# Allegro board 038NC-GRIFFI-V9A_16_20260429.brd (continued)
## Footprints (pads in the part's own frame, mm; a bottom-side part is the same pattern mirrored in y, then rotated) (continued)
PG_LTXDX_F_X1_GX1X_SL04
  round 0.051 hole 2.489x2.21 unplated: (-60.335,-220.342)
  round 0.508 hole 3.2 unplated: (-59.335,-154.842)
  rect 1.016x1.016 smd: A1(-54.706,-218.796)
  round 1.016 hole 0.559: A2(-53.58,-217.796) A3(-54.706,-216.796) A4(-53.58,-215.796) A5(-54.706,-214.796) A6(-53.58,-213.796) A7(-54.706,-212.796) A8(-53.58,-211.796) A9(-54.706,-210.796) A10(-53.58,-209.796) A11(-54.706,-208.796) A12(-53.58,-207.796) A13(-54.706,-206.796) A14(-53.58,-205.796) A15(-54.706,-204.796) A16(-53.58,-203.796) A17(-54.706,-202.796) A18(-53.58,-201.796) A19(-54.706,-200.796) A20(-53.58,-199.796) A21(-54.706,-198.796) A22(-53.58,-197.796) A23(-54.706,-196.796) A24(-53.58,-195.796) A25(-54.706,-194.796) A26(-53.58,-193.796) A27(-54.706,-192.796) A28(-53.58,-191.796) A29(-54.706,-190.796) A30(-53.58,-189.796) A31(-54.706,-188.796) A32(-53.58,-187.796) A33(-54.706,-186.796) A34(-53.58,-185.796) A35(-54.706,-184.796) A36(-53.58,-183.796) A37(-54.706,-182.796) A38(-53.58,-181.796) A39(-54.706,-180.796) A40(-53.58,-179.796) A41(-54.706,-178.796) A42(-53.58,-177.796) A43(-54.706,-176.796) A44(-53.58,-175.796) A45(-54.706,-174.796) A46(-53.58,-173.796) A47(-54.706,-172.796) A48(-53.58,-171.796) A49(-54.706,-170.796) A50(-53.58,-169.796) A51(-54.706,-168.796) A52(-53.58,-167.796) A53(-54.706,-166.796) A54(-53.58,-165.796) A55(-54.706,-164.796) A56(-53.58,-163.796) A57(-54.706,-162.796) A58(-53.58,-161.796) A59(-54.706,-160.796) A60(-53.58,-159.796) A61(-54.706,-158.796) B2(-55.829,-217.796) B3(-56.954,-216.796) B4(-55.829,-215.796) B5(-56.954,-214.796) B6(-55.829,-213.796) B7(-56.954,-212.796) B8(-55.829,-211.796) B9(-56.954,-210.796) B10(-55.829,-209.796) B11(-56.954,-208.796) B12(-55.829,-207.796) B13(-56.954,-206.796) B14(-55.829,-205.796) B15(-56.954,-204.796) B16(-55.829,-203.796) B17(-56.954,-202.796) B18(-55.829,-201.796) B19(-56.954,-200.796) B20(-55.829,-199.796) B21(-56.954,-198.796) B22(-55.829,-197.796) B23(-56.954,-196.796) B24(-55.829,-195.796) B25(-56.954,-194.796) B26(-55.829,-193.796) B27(-56.954,-192.796) B28(-55.829,-191.796) B29(-56.954,-190.796) B30(-55.829,-189.796) B31(-56.954,-188.796) B32(-55.829,-187.796) B33(-56.954,-186.796) B34(-55.829,-185.796) B35(-56.954,-184.796) B36(-55.829,-183.796) B37(-56.954,-182.796) B38(-55.829,-181.796) B39(-56.954,-180.796) B40(-55.829,-179.796) B41(-56.954,-178.796) B42(-55.829,-177.796) B43(-56.954,-176.796) B44(-55.829,-175.796) B45(-56.954,-174.796) B46(-55.829,-173.796) B47(-56.954,-172.796) B48(-55.829,-171.796) B49(-56.954,-170.796) B50(-55.829,-169.796) B51(-56.954,-168.796) B52(-55.829,-167.796) B53(-56.954,-166.796) B54(-55.829,-165.796) B55(-56.954,-164.796) B56(-55.829,-163.796) B57(-56.954,-162.796) B58(-55.829,-161.796) B59(-56.954,-160.796) B60(-55.829,-159.796) B61(-56.954,-158.796) C2(-58.079,-217.796) C3(-59.205,-216.796) C4(-58.079,-215.796) C5(-59.205,-214.796) C6(-58.079,-213.796) C7(-59.205,-212.796) C8(-58.079,-211.796) C9(-59.205,-210.796) C10(-58.079,-209.796) C11(-59.205,-208.796) C12(-58.079,-207.796) C13(-59.205,-206.796) C14(-58.079,-205.796) C15(-59.205,-204.796) C16(-58.079,-203.796) C17(-59.205,-202.796) C18(-58.079,-201.796) C19(-59.205,-200.796) C20(-58.079,-199.796) C21(-59.205,-198.796) C22(-58.079,-197.796) C23(-59.205,-196.796) C24(-58.079,-195.796) C25(-59.205,-194.796) C26(-58.079,-193.796) C27(-59.205,-192.796) C28(-58.079,-191.796) C29(-59.205,-190.796) C30(-58.079,-189.796) C31(-59.205,-188.796) C32(-58.079,-187.796) C33(-59.205,-186.796) C34(-58.079,-185.796) C35(-59.205,-184.796) C36(-58.079,-183.796) C37(-59.205,-182.796) C38(-58.079,-181.796) C39(-59.205,-180.796) C40(-58.079,-179.796) C41(-59.205,-178.796) C42(-58.079,-177.796) C43(-59.205,-176.796) C44(-58.079,-175.796) C45(-59.205,-174.796) C46(-58.079,-173.796) C47(-59.205,-172.796) C48(-58.079,-171.796) C49(-59.205,-170.796) C50(-58.079,-169.796) C51(-59.205,-168.796) C52(-58.079,-167.796) C53(-59.205,-166.796) C54(-58.079,-165.796) C55(-59.205,-164.796) C56(-58.079,-163.796) C57(-59.205,-162.796) C58(-58.079,-161.796) C59(-59.205,-160.796) C60(-58.079,-159.796) C61(-59.205,-158.796) D2(-60.33,-217.796) D3(-61.455,-216.796) D4(-60.33,-215.796) D5(-61.455,-214.796) D6(-60.33,-213.796) D7(-61.455,-212.796) D8(-60.33,-211.796) D9(-61.455,-210.796) D10(-60.33,-209.796) D11(-61.455,-208.796) D12(-60.33,-207.796) D13(-61.455,-206.796) D14(-60.33,-205.796) D15(-61.455,-204.796) D16(-60.33,-203.796) D17(-61.455,-202.796) D18(-60.33,-201.796) D19(-61.455,-200.796) D20(-60.33,-199.796) D21(-61.455,-198.796) D22(-60.33,-197.796) D23(-61.455,-196.796) D24(-60.33,-195.796) D25(-61.455,-194.796) D26(-60.33,-193.796) D27(-61.455,-192.796) D28(-60.33,-191.796) D29(-61.455,-190.796) D30(-60.33,-189.796) D31(-61.455,-188.796) D32(-60.33,-187.796) D33(-61.455,-186.796) D34(-60.33,-185.796) D35(-61.455,-184.796) D36(-60.33,-183.796) D37(-61.455,-182.796) D38(-60.33,-181.796) D39(-61.455,-180.796) D40(-60.33,-179.796) D41(-61.455,-178.796) D42(-60.33,-177.796) D43(-61.455,-176.796) D44(-60.33,-175.796) D45(-61.455,-174.796) D46(-60.33,-173.796) D47(-61.455,-172.796) D48(-60.33,-171.796) D49(-61.455,-170.796) D50(-60.33,-169.796) D51(-61.455,-168.796) D52(-60.33,-167.796) D53(-61.455,-166.796) D54(-60.33,-165.796) D55(-61.455,-164.796) D56(-60.33,-163.796) D57(-61.455,-162.796) D58(-60.33,-161.796) D59(-61.455,-160.796) D60(-60.33,-159.796) D61(-61.455,-158.796) E2(-62.58,-217.796) E3(-63.705,-216.796) E4(-62.58,-215.796) E5(-63.704,-214.796) E6(-62.58,-213.796) E7(-63.704,-212.796) E8(-62.58,-211.796) E9(-63.704,-210.796) E10(-62.58,-209.796) E11(-63.704,-208.796) E12(-62.58,-207.796) E13(-63.704,-206.796) E14(-62.58,-205.796) E15(-63.704,-204.796) E16(-62.58,-203.796) E17(-63.704,-202.796) E18(-62.58,-201.796) E19(-63.704,-200.796) E20(-62.58,-199.796) E21(-63.704,-198.796) E22(-62.58,-197.796) E23(-63.704,-196.796) E24(-62.58,-195.796) E25(-63.704,-194.796) E26(-62.58,-193.796) E27(-63.704,-192.796) E28(-62.58,-191.796) E29(-63.704,-190.796) E30(-62.58,-189.796) E31(-63.704,-188.796) E32(-62.58,-187.796) E33(-63.704,-186.796) E34(-62.58,-185.796) E35(-63.704,-184.796) E36(-62.58,-183.796) E37(-63.704,-182.796) E38(-62.58,-181.796) E39(-63.704,-180.796) E40(-62.58,-179.796) E41(-63.704,-178.796) E42(-62.58,-177.796) E43(-63.704,-176.796) E44(-62.58,-175.796) E45(-63.704,-174.796) E46(-62.58,-173.796) E47(-63.704,-172.796) E48(-62.58,-171.796) E49(-63.704,-170.796) E50(-62.58,-169.796) E51(-63.704,-168.796) E52(-62.58,-167.796) E53(-63.704,-166.796) E54(-62.58,-165.796) E55(-63.704,-164.796) E56(-62.58,-163.796) E57(-63.704,-162.796) E58(-62.58,-161.796) E59(-63.704,-160.796) E60(-62.58,-159.796) E61(-63.704,-158.796) F2(-64.829,-217.796) F3(-65.954,-216.796) F4(-64.829,-215.796) F5(-65.955,-214.796) F6(-64.829,-213.796) F7(-65.955,-212.796) F8(-64.829,-211.796) F9(-65.955,-210.796) F10(-64.829,-209.796) F11(-65.955,-208.796) F12(-64.829,-207.796) F13(-65.955,-206.796) F14(-64.829,-205.796) F15(-65.955,-204.796) F16(-64.829,-203.796) F17(-65.955,-202.796) F18(-64.829,-201.796) F19(-65.955,-200.796) F20(-64.829,-199.796) F21(-65.955,-198.796) F22(-64.829,-197.796) F23(-65.955,-196.796) F24(-64.829,-195.796) F25(-65.955,-194.796) F26(-64.829,-193.796) F27(-65.955,-192.796) F28(-64.829,-191.796) F29(-65.955,-190.796) F30(-64.829,-189.796) F31(-65.955,-188.796) F32(-64.829,-187.796) F33(-65.955,-186.796) F34(-64.829,-185.796) F35(-65.955,-184.796) F36(-64.829,-183.796) F37(-65.955,-182.796) F38(-64.829,-181.796) F39(-65.955,-180.796) F40(-64.829,-179.796) F41(-65.955,-178.796) F42(-64.829,-177.796) F43(-65.955,-176.796) F44(-64.829,-175.796) F45(-65.955,-174.796) F46(-64.829,-173.796) F47(-65.955,-172.796) F48(-64.829,-171.796) F49(-65.955,-170.796) F50(-64.829,-169.796) F51(-65.955,-168.796) F52(-64.829,-167.796) F53(-65.955,-166.796) F54(-64.829,-165.796) F55(-65.955,-164.796) F56(-64.829,-163.796) F57(-65.955,-162.796) F58(-64.829,-161.796) F59(-65.955,-160.796) F60(-64.829,-159.796) F61(-65.955,-158.796) G2(-67.08,-217.796) G4(-67.08,-215.796) G6(-67.08,-213.796) G8(-67.08,-211.796) G10(-67.08,-209.796) G12(-67.08,-207.796) G14(-67.08,-205.796) G16(-67.08,-203.796) G18(-67.08,-201.796) G20(-67.08,-199.796) G22(-67.08,-197.796) G24(-67.08,-195.796) G26(-67.08,-193.796) G28(-67.08,-191.796) G30(-67.08,-189.796) G32(-67.08,-187.796) G34(-67.08,-185.796) G36(-67.08,-183.796) G38(-67.08,-181.796) G40(-67.08,-179.796) Z5(-52.456,-214.796) Z7(-52.456,-212.796) Z9(-52.456,-210.796) Z11(-52.456,-208.796) Z13(-52.456,-206.796) Z15(-52.456,-204.796) Z17(-52.456,-202.796) Z19(-52.456,-200.796) Z21(-52.456,-198.796) Z23(-52.456,-196.796) Z25(-52.456,-194.796) Z27(-52.456,-192.796) Z29(-52.456,-190.796) Z31(-52.456,-188.796) Z33(-52.456,-186.796) Z35(-52.456,-184.796) Z37(-52.456,-182.796) Z39(-52.456,-180.796) Z41(-52.456,-178.796) Z43(-52.456,-176.796) Z45(-52.456,-174.796) Z47(-52.456,-172.796) Z49(-52.456,-170.796) Z51(-52.456,-168.796) Z53(-52.456,-166.796) Z55(-52.456,-164.796) Z57(-52.456,-162.796) Z59(-52.456,-160.796) Z61(-52.456,-158.796)
  round 1.016 smd: B1(-56.954,-218.796) B62(-55.829,-157.796) C1(-59.206,-218.796) C62(-58.079,-157.796) D1(-61.456,-218.796) E1(-63.705,-218.796) E62(-62.58,-157.796) F1(-65.954,-218.796) F62(-64.829,-157.796) G42(-67.08,-177.796) G44(-67.08,-175.796) G46(-67.08,-173.796) G48(-67.08,-171.796) G50(-67.08,-169.796) G52(-67.08,-167.796) G54(-67.08,-165.796) G56(-67.08,-163.796) G58(-67.08,-161.796) G60(-67.08,-159.796)
PG_LTXDX_F_X1_HDVI_SL10_V3
  round 0.051 hole 2.489x2.21 unplated: (12.055,-220.342)
  round 0.508 hole 3.2 unplated: (13.055,-154.842)
  rect 1.016x1.016 hole 0.559: A1(17.684,-218.796)
  round 1.016 hole 0.559: A2(18.809,-217.796) A3(17.684,-216.796) A4(18.809,-215.796) A5(17.684,-214.796) A6(18.809,-213.796) A7(17.684,-212.796) A8(18.809,-211.796) A9(17.684,-210.796) A10(18.809,-209.796) A11(17.684,-208.796) A12(18.809,-207.796) A13(17.684,-206.796) A14(18.809,-205.796) A15(17.684,-204.796) A16(18.809,-203.796) A17(17.684,-202.796) A18(18.809,-201.796) A19(17.684,-200.796) A20(18.809,-199.796) A21(17.684,-198.796) A22(18.809,-197.796) A23(17.684,-196.796) A24(18.809,-195.796) A25(17.684,-194.796) A26(18.809,-193.796) A27(17.684,-192.796) A28(18.809,-191.796) A29(17.684,-190.796) A30(18.809,-189.796) A31(17.684,-188.796) A32(18.809,-187.796) A33(17.684,-186.796) A34(18.809,-185.796) A35(17.684,-184.796) A36(18.809,-183.796) A37(17.684,-182.796) A38(18.809,-181.796) A39(17.684,-180.796) A40(18.809,-179.796) A41(17.684,-178.796) A42(18.809,-177.796) A43(17.684,-176.796) A44(18.809,-175.796) A45(17.684,-174.796) A46(18.809,-173.796) A47(17.684,-172.796) A48(18.809,-171.796) A49(17.684,-170.796) A50(18.809,-169.796) A51(17.684,-168.796) A52(18.809,-167.796) A53(17.684,-166.796) A54(18.809,-165.796) A55(17.684,-164.796) A56(18.809,-163.796) A57(17.684,-162.796) A58(18.809,-161.796) A59(17.684,-160.796) A60(18.809,-159.796) A61(17.684,-158.796) B1(15.435,-218.796) B2(16.56,-217.796) B3(15.435,-216.796) B4(16.56,-215.796) B5(15.435,-214.796) B6(16.56,-213.796) B7(15.435,-212.796) B8(16.56,-211.796) B9(15.435,-210.796) B10(16.56,-209.796) B11(15.435,-208.796) B12(16.56,-207.796) B13(15.435,-206.796) B14(16.56,-205.796) B15(15.435,-204.796) B16(16.56,-203.796) B17(15.435,-202.796) B18(16.56,-201.796) B19(15.435,-200.796) B20(16.56,-199.796) B21(15.435,-198.796) B22(16.56,-197.796) B23(15.435,-196.796) B24(16.56,-195.796) B25(15.435,-194.796) B26(16.56,-193.796) B27(15.435,-192.796) B28(16.56,-191.796) B29(15.435,-190.796) B30(16.56,-189.796) B31(15.435,-188.796) B32(16.56,-187.796) B33(15.435,-186.796) B34(16.56,-185.796) B35(15.435,-184.796) B36(16.56,-183.796) B37(15.435,-182.796) B38(16.56,-181.796) B39(15.435,-180.796) B40(16.56,-179.796) B41(15.435,-178.796) B42(16.56,-177.796) B43(15.435,-176.796) B44(16.56,-175.796) B45(15.435,-174.796) B46(16.56,-173.796) B47(15.435,-172.796) B48(16.56,-171.796) B49(15.435,-170.796) B50(16.56,-169.796) B51(15.435,-168.796) B52(16.56,-167.796) B53(15.435,-166.796) B54(16.56,-165.796) B55(15.435,-164.796) B56(16.56,-163.796) B57(15.435,-162.796) B58(16.56,-161.796) B59(15.435,-160.796) B60(16.56,-159.796) B61(15.435,-158.796) B62(16.56,-157.796) C1(13.184,-218.796) C2(14.31,-217.796) C3(13.184,-216.796) C4(14.31,-215.796) C5(13.184,-214.796) C6(14.31,-213.796) C7(13.184,-212.796) C8(14.31,-211.796) C9(13.184,-210.796) C10(14.31,-209.796) C11(13.184,-208.796) C12(14.31,-207.796) C13(13.184,-206.796) C14(14.31,-205.796) C15(13.184,-204.796) C16(14.31,-203.796) C17(13.184,-202.796) C18(14.31,-201.796) C19(13.184,-200.796) C20(14.31,-199.796) C21(13.184,-198.796) C22(14.31,-197.796) C23(13.184,-196.796) C24(14.31,-195.796) C25(13.184,-194.796) C26(14.31,-193.796) C27(13.184,-192.796) C28(14.31,-191.796) C29(13.184,-190.796) C30(14.31,-189.796) C31(13.184,-188.796) C32(14.31,-187.796) C33(13.184,-186.796) C34(14.31,-185.796) C35(13.184,-184.796) C36(14.31,-183.796) C37(13.184,-182.796) C38(14.31,-181.796) C39(13.184,-180.796) C40(14.31,-179.796) C41(13.184,-178.796) C42(14.31,-177.796) C43(13.184,-176.796) C44(14.31,-175.796) C45(13.184,-174.796) C46(14.31,-173.796) C47(13.184,-172.796) C48(14.31,-171.796) C49(13.184,-170.796) C50(14.31,-169.796) C51(13.184,-168.796) C52(14.31,-167.796) C53(13.184,-166.796) C54(14.31,-165.796) C55(13.184,-164.796) C56(14.31,-163.796) C57(13.184,-162.796) C58(14.31,-161.796) C59(13.184,-160.796) C60(14.31,-159.796) C61(13.184,-158.796) C62(14.31,-157.796) D1(10.934,-218.796) D2(12.059,-217.796) D3(10.934,-216.796) D4(12.059,-215.796) D5(10.934,-214.796) D6(12.059,-213.796) D7(10.934,-212.796) D8(12.059,-211.796) D9(10.934,-210.796) D10(12.059,-209.796) D11(10.934,-208.796) D12(12.059,-207.796) D13(10.934,-206.796) D14(12.059,-205.796) D15(10.934,-204.796) D16(12.059,-203.796) D17(10.934,-202.796) D18(12.059,-201.796) D19(10.934,-200.796) D20(12.059,-199.796) D21(10.934,-198.796) D22(12.059,-197.796) D23(10.934,-196.796) D24(12.059,-195.796) D25(10.934,-194.796) D26(12.059,-193.796) D27(10.934,-192.796) D28(12.059,-191.796) D29(10.934,-190.796) D30(12.059,-189.796) D31(10.934,-188.796) D32(12.059,-187.796) D33(10.934,-186.796) D34(12.059,-185.796) D35(10.934,-184.796) D36(12.059,-183.796) D37(10.934,-182.796) D38(12.059,-181.796) D39(10.934,-180.796) D40(12.059,-179.796) D41(10.934,-178.796) D42(12.059,-177.796) D43(10.934,-176.796) D44(12.059,-175.796) D45(10.934,-174.796) D46(12.059,-173.796) D47(10.934,-172.796) D48(12.059,-171.796) D49(10.934,-170.796) D50(12.059,-169.796) D51(10.934,-168.796) D52(12.059,-167.796) D53(10.934,-166.796) D54(12.059,-165.796) D55(10.934,-164.796) D56(12.059,-163.796) D57(10.934,-162.796) D58(12.059,-161.796) D59(10.934,-160.796) D60(12.059,-159.796) D61(10.934,-158.796) E1(8.685,-218.796) E2(9.809,-217.796) E3(8.685,-216.796) E4(9.809,-215.796) E5(8.685,-214.796) E6(9.809,-213.796) E7(8.685,-212.796) E8(9.809,-211.796) E9(8.685,-210.796) E10(9.809,-209.796) E11(8.685,-208.796) E12(9.809,-207.796) E13(8.685,-206.796) E14(9.809,-205.796) E15(8.685,-204.796) E16(9.809,-203.796) E17(8.685,-202.796) E18(9.809,-201.796) E19(8.685,-200.796) E20(9.809,-199.796) E21(8.685,-198.796) E22(9.809,-197.796) E23(8.685,-196.796) E24(9.809,-195.796) E25(8.685,-194.796) E26(9.809,-193.796) E27(8.685,-192.796) E28(9.809,-191.796) E29(8.685,-190.796) E30(9.809,-189.796) E31(8.685,-188.796) E32(9.809,-187.796) E33(8.685,-186.796) E34(9.809,-185.796) E35(8.685,-184.796) E36(9.809,-183.796) E37(8.685,-182.796) E38(9.809,-181.796) E39(8.685,-180.796) E40(9.809,-179.796) E41(8.685,-178.796) E42(9.809,-177.796) E43(8.685,-176.796) E44(9.809,-175.796) E45(8.685,-174.796) E46(9.809,-173.796) E47(8.685,-172.796) E48(9.809,-171.796) E49(8.685,-170.796) E50(9.809,-169.796) E51(8.685,-168.796) E52(9.809,-167.796) E53(8.685,-166.796) E54(9.809,-165.796) E55(8.685,-164.796) E56(9.809,-163.796) E57(8.685,-162.796) E58(9.809,-161.796) E59(8.685,-160.796) E60(9.809,-159.796) E61(8.685,-158.796) E62(9.809,-157.796) F1(6.435,-218.796) F2(7.56,-217.796) F3(6.435,-216.796) F4(7.56,-215.796) F5(6.435,-214.796) F6(7.56,-213.796) F7(6.435,-212.796) F8(7.56,-211.796) F9(6.435,-210.796) F10(7.56,-209.796) F11(6.435,-208.796) F12(7.56,-207.796) F13(6.435,-206.796) F14(7.56,-205.796) F15(6.435,-204.796) F16(7.56,-203.796) F17(6.435,-202.796) F18(7.56,-201.796) F19(6.435,-200.796) F20(7.56,-199.796) F21(6.435,-198.796) F22(7.56,-197.796) F23(6.435,-196.796) F24(7.56,-195.796) F25(6.435,-194.796) F26(7.56,-193.796) F27(6.435,-192.796) F28(7.56,-191.796) F29(6.435,-190.796) F30(7.56,-189.796) F31(6.435,-188.796) F32(7.56,-187.796) F33(6.435,-186.796) F34(7.56,-185.796) F35(6.435,-184.796) F36(7.56,-183.796) F37(6.435,-182.796) F38(7.56,-181.796) F39(6.435,-180.796) F40(7.56,-179.796) F41(6.435,-178.796) F42(7.56,-177.796) F43(6.435,-176.796) F44(7.56,-175.796) F45(6.435,-174.796) F46(7.56,-173.796) F47(6.435,-172.796) F48(7.56,-171.796) F49(6.435,-170.796) F50(7.56,-169.796) F51(6.435,-168.796) F52(7.56,-167.796) F53(6.435,-166.796) F54(7.56,-165.796) F55(6.435,-164.796) F56(7.56,-163.796) F57(6.435,-162.796) F58(7.56,-161.796) F59(6.435,-160.796) F60(7.56,-159.796) F61(6.435,-158.796) F62(7.56,-157.796) G2(5.31,-217.796) G4(5.31,-215.796) G6(5.31,-213.796) G8(5.31,-211.796) G10(5.31,-209.796) G12(5.31,-207.796) G14(5.31,-205.796) G16(5.31,-203.796) G18(5.31,-201.796) G20(5.31,-199.796) G22(5.31,-197.796) G24(5.31,-195.796) G26(5.31,-193.796) G28(5.31,-191.796) G30(5.31,-189.796) G32(5.31,-187.796) G34(5.31,-185.796) G36(5.31,-183.796) G38(5.31,-181.796) G40(5.31,-179.796) G42(5.31,-177.796) G44(5.31,-175.796) G46(5.31,-173.796) G48(5.31,-171.796) G50(5.31,-169.796) G52(5.31,-167.796) G54(5.31,-165.796) G56(5.31,-163.796) G58(5.31,-161.796) G60(5.31,-159.796)
  custom 0.257x0.257 smd: Z5(19.934,-214.796) Z7(19.934,-212.796) Z9(19.934,-210.796) Z11(19.934,-208.796) Z13(19.934,-206.796) Z15(19.934,-204.796) Z17(19.934,-202.796) Z19(19.934,-200.796) Z21(19.934,-198.796) Z23(19.934,-196.796) Z25(19.934,-194.796) Z27(19.934,-192.796) Z29(19.934,-190.796) Z31(19.934,-188.796) Z33(19.934,-186.796) Z35(19.934,-184.796) Z37(19.934,-182.796) Z39(19.934,-180.796) Z41(19.934,-178.796) Z43(19.934,-176.796) Z45(19.934,-174.796) Z47(19.934,-172.796) Z49(19.934,-170.796) Z51(19.934,-168.796) Z53(19.934,-166.796) Z55(19.934,-164.796) Z57(19.934,-162.796) Z59(19.934,-160.796) Z61(19.934,-158.796)
PG_LTXDX_F_X1_HDVI_SL13_V3
  round 0.508 hole 3.2 unplated: (35.206,154.842)
  round 0.051 hole 2.489x2.21 unplated: (36.205,220.342)
  rect 1.016x1.016 hole 0.559: A1(30.576,218.796)
  round 1.016 hole 0.559: A2(29.451,217.796) A3(30.576,216.796) A4(29.451,215.796) A5(30.576,214.796) A6(29.451,213.796) A7(30.576,212.796) A8(29.451,211.796) A9(30.576,210.796) A10(29.451,209.796) A11(30.576,208.796) A12(29.451,207.796) A13(30.576,206.796) A14(29.451,205.796) A15(30.576,204.796) A16(29.451,203.796) A17(30.576,202.796) A18(29.451,201.796) A19(30.576,200.796) A20(29.451,199.796) A21(30.576,198.796) A22(29.451,197.796) A23(30.576,196.796) A24(29.451,195.796) A25(30.576,194.796) A26(29.451,193.796) A27(30.576,192.796) A28(29.451,191.796) A29(30.576,190.796) A30(29.451,189.796) A31(30.576,188.796) A32(29.451,187.796) A33(30.576,186.796) A34(29.451,185.796) A35(30.576,184.796) A36(29.451,183.796) A37(30.576,182.796) A38(29.451,181.796) A39(30.576,180.796) A40(29.451,179.796) A41(30.576,178.796) A42(29.451,177.796) A43(30.576,176.796) A44(29.451,175.796) A45(30.576,174.796) A46(29.451,173.796) A47(30.576,172.796) A48(29.451,171.796) A49(30.576,170.796) A50(29.451,169.796) A51(30.576,168.796) A52(29.451,167.796) A53(30.576,166.796) A54(29.451,165.796) A55(30.576,164.796) A56(29.451,163.796) A57(30.576,162.796) A58(29.451,161.796) A59(30.576,160.796) A60(29.451,159.796) A61(30.576,158.796) B1(32.825,218.796) B2(31.7,217.796) B3(32.825,216.796) B4(31.7,215.796) B5(32.825,214.796) B6(31.7,213.796) B7(32.825,212.796) B8(31.7,211.796) B9(32.825,210.796) B10(31.7,209.796) B11(32.825,208.796) B12(31.7,207.796) B13(32.825,206.796) B14(31.7,205.796) B15(32.825,204.796) B16(31.7,203.796) B17(32.825,202.796) B18(31.7,201.796) B19(32.825,200.796) B20(31.7,199.796) B21(32.825,198.796) B22(31.7,197.796) B23(32.825,196.796) B24(31.7,195.796) B25(32.825,194.796) B26(31.7,193.796) B27(32.825,192.796) B28(31.7,191.796) B29(32.825,190.796) B30(31.7,189.796) B31(32.825,188.796) B32(31.7,187.796) B33(32.825,186.796) B34(31.7,185.796) B35(32.825,184.796) B36(31.7,183.796) B37(32.825,182.796) B38(31.7,181.796) B39(32.825,180.796) B40(31.7,179.796) B41(32.825,178.796) B42(31.7,177.796) B43(32.825,176.796) B44(31.7,175.796) B45(32.825,174.796) B46(31.7,173.796) B47(32.825,172.796) B48(31.7,171.796) B49(32.825,170.796) B50(31.7,169.796) B51(32.825,168.796) B52(31.7,167.796) B53(32.825,166.796) B54(31.7,165.796) B55(32.825,164.796) B56(31.7,163.796) B57(32.825,162.796) B58(31.7,161.796) B59(32.825,160.796) B60(31.7,159.796) B61(32.825,158.796) B62(31.7,157.796) C1(35.076,218.796) C2(33.95,217.796) C3(35.076,216.796) C4(33.95,215.796) C5(35.076,214.796) C6(33.95,213.796) C7(35.076,212.796) C8(33.95,211.796) C9(35.076,210.796) C10(33.95,209.796) C11(35.076,208.796) C12(33.95,207.796) C13(35.076,206.796) C14(33.95,205.796) C15(35.076,204.796) C16(33.95,203.796) C17(35.076,202.796) C18(33.95,201.796) C19(35.076,200.796) C20(33.95,199.796) C21(35.076,198.796) C22(33.95,197.796) C23(35.076,196.796) C24(33.95,195.796) C25(35.076,194.796) C26(33.95,193.796) C27(35.076,192.796) C28(33.95,191.796) C29(35.076,190.796) C30(33.95,189.796) C31(35.076,188.796) C32(33.95,187.796) C33(35.076,186.796) C34(33.95,185.796) C35(35.076,184.796) C36(33.95,183.796) C37(35.076,182.796) C38(33.95,181.796) C39(35.076,180.796) C40(33.95,179.796) C41(35.076,178.796) C42(33.95,177.796) C43(35.076,176.796) C44(33.95,175.796) C45(35.076,174.796) C46(33.95,173.796) C47(35.076,172.796) C48(33.95,171.796) C49(35.076,170.796) C50(33.95,169.796) C51(35.076,168.796) C52(33.95,167.796) C53(35.076,166.796) C54(33.95,165.796) C55(35.076,164.796) C56(33.95,163.796) C57(35.076,162.796) C58(33.95,161.796) C59(35.076,160.796) C60(33.95,159.796) C61(35.076,158.796) C62(33.95,157.796) D1(37.326,218.796) D2(36.201,217.796) D3(37.326,216.796) D4(36.201,215.796) D5(37.326,214.796) D6(36.201,213.796) D7(37.326,212.796) D8(36.201,211.796) D9(37.326,210.796) D10(36.201,209.796) D11(37.326,208.796) D12(36.201,207.796) D13(37.326,206.796) D14(36.201,205.796) D15(37.326,204.796) D16(36.201,203.796) D17(37.326,202.796) D18(36.201,201.796) D19(37.326,200.796) D20(36.201,199.796) D21(37.326,198.796) D22(36.201,197.796) D23(37.326,196.796) D24(36.201,195.796) D25(37.326,194.796) D26(36.201,193.796) D27(37.326,192.796) D28(36.201,191.796) D29(37.326,190.796) D30(36.201,189.796) D31(37.326,188.796) D32(36.201,187.796) D33(37.326,186.796) D34(36.201,185.796) D35(37.326,184.796) D36(36.201,183.796) D37(37.326,182.796) D38(36.201,181.796) D39(37.326,180.796) D40(36.201,179.796) D41(37.326,178.796) D42(36.201,177.796) D43(37.326,176.796) D44(36.201,175.796) D45(37.326,174.796) D46(36.201,173.796) D47(37.326,172.796) D48(36.201,171.796) D49(37.326,170.796) D50(36.201,169.796) D51(37.326,168.796) D52(36.201,167.796) D53(37.326,166.796) D54(36.201,165.796) D55(37.326,164.796) D56(36.201,163.796) D57(37.326,162.796) D58(36.201,161.796) D59(37.326,160.796) D60(36.201,159.796) D61(37.326,158.796) E1(39.575,218.796) E2(38.451,217.796) E3(39.575,216.796) E4(38.451,215.796) E5(39.575,214.796) E6(38.451,213.796) E7(39.575,212.796) E8(38.451,211.796) E9(39.575,210.796) E10(38.451,209.796) E11(39.575,208.796) E12(38.451,207.796) E13(39.575,206.796) E14(38.451,205.796) E15(39.575,204.796) E16(38.451,203.796) E17(39.575,202.796) E18(38.451,201.796) E19(39.575,200.796) E20(38.451,199.796) E21(39.575,198.796) E22(38.451,197.796) E23(39.575,196.796) E24(38.451,195.796) E25(39.575,194.796) E26(38.451,193.796) E27(39.575,192.796) E28(38.451,191.796) E29(39.575,190.796) E30(38.451,189.796) E31(39.575,188.796) E32(38.451,187.796) E33(39.575,186.796) E34(38.451,185.796) E35(39.575,184.796) E36(38.451,183.796) E37(39.575,182.796) E38(38.451,181.796) E39(39.575,180.796) E40(38.451,179.796) E41(39.575,178.796) E42(38.451,177.796) E43(39.575,176.796) E44(38.451,175.796) E45(39.575,174.796) E46(38.451,173.796) E47(39.575,172.796) E48(38.451,171.796) E49(39.575,170.796) E50(38.451,169.796) E51(39.575,168.796) E52(38.451,167.796) E53(39.575,166.796) E54(38.451,165.796) E55(39.575,164.796) E56(38.451,163.796) E57(39.575,162.796) E58(38.451,161.796) E59(39.575,160.796) E60(38.451,159.796) E61(39.575,158.796) E62(38.451,157.796) F1(41.825,218.796) F2(40.7,217.796) F3(41.825,216.796) F4(40.7,215.796) F5(41.825,214.796) F6(40.7,213.796) F7(41.825,212.796) F8(40.7,211.796) F9(41.825,210.796) F10(40.7,209.796) F11(41.825,208.796) F12(40.7,207.796) F13(41.825,206.796) F14(40.7,205.796) F15(41.825,204.796) F16(40.7,203.796) F17(41.825,202.796) F18(40.7,201.796) F19(41.825,200.796) F20(40.7,199.796) F21(41.825,198.796) F22(40.7,197.796) F23(41.825,196.796) F24(40.7,195.796) F25(41.825,194.796) F26(40.7,193.796) F27(41.825,192.796) F28(40.7,191.796) F29(41.825,190.796) F30(40.7,189.796) F31(41.825,188.796) F32(40.7,187.796) F33(41.825,186.796) F34(40.7,185.796) F35(41.825,184.796) F36(40.7,183.796) F37(41.825,182.796) F38(40.7,181.796) F39(41.825,180.796) F40(40.7,179.796) F41(41.825,178.796) F42(40.7,177.796) F43(41.825,176.796) F44(40.7,175.796) F45(41.825,174.796) F46(40.7,173.796) F47(41.825,172.796) F48(40.7,171.796) F49(41.825,170.796) F50(40.7,169.796) F51(41.825,168.796) F52(40.7,167.796) F53(41.825,166.796) F54(40.7,165.796) F55(41.825,164.796) F56(40.7,163.796) F57(41.825,162.796) F58(40.7,161.796) F59(41.825,160.796) F60(40.7,159.796) F61(41.825,158.796) F62(40.7,157.796) G2(42.95,217.796) G4(42.95,215.796) G6(42.95,213.796) G8(42.95,211.796) G10(42.95,209.796) G12(42.95,207.796) G14(42.95,205.796) G16(42.95,203.796) G18(42.95,201.796) G20(42.95,199.796) G22(42.95,197.796) G24(42.95,195.796) G26(42.95,193.796) G28(42.95,191.796) G30(42.95,189.796) G32(42.95,187.796) G34(42.95,185.796) G36(42.95,183.796) G38(42.95,181.796) G40(42.95,179.796) G42(42.95,177.796) G44(42.95,175.796) G46(42.95,173.796) G48(42.95,171.796) G50(42.95,169.796) G52(42.95,167.796) G54(42.95,165.796) G56(42.95,163.796) G58(42.95,161.796) G60(42.95,159.796)
  custom 0.257x0.257 smd: Z5(28.326,214.796) Z7(28.326,212.796) Z9(28.326,210.796) Z11(28.326,208.796) Z13(28.326,206.796) Z15(28.326,204.796) Z17(28.326,202.796) Z19(28.326,200.796) Z21(28.326,198.796) Z23(28.326,196.796) Z25(28.326,194.796) Z27(28.326,192.796) Z29(28.326,190.796) Z31(28.326,188.796) Z33(28.326,186.796) Z35(28.326,184.796) Z37(28.326,182.796) Z39(28.326,180.796) Z41(28.326,178.796) Z43(28.326,176.796) Z45(28.326,174.796) Z47(28.326,172.796) Z49(28.326,170.796) Z51(28.326,168.796) Z53(28.326,166.796) Z55(28.326,164.796) Z57(28.326,162.796) Z59(28.326,160.796) Z61(28.326,158.796)
PG_LTXDX_F_X1_OUTLINE_FULL_V2
  round 0.508 hole 7.925 unplated: (-139.7,145.034)
  round 0.508 hole 11.125 unplated: (-139.7,-145.034) (139.7,145.034) (139.7,-145.034)
  round 0.508 hole 3.099 unplated: (-130.048,229.87)
  round 0.508 hole 3.404 unplated: (-130.048,-229.87)
  round 0.508 hole 4.674 unplated: (-128.27,187.325) (-128.27,60.325) (-128.27,-60.325) (-128.27,-187.325) (-120.65,229.87) (-120.65,144.78) (-120.65,-144.78) (-120.65,-229.87) (-72.39,229.87) (-72.39,144.78) (-72.39,-144.78) (-72.39,-229.87) (-24.13,229.87) (-24.13,144.78) (-24.13,-144.78) (-24.13,-229.87) (24.13,229.87) (24.13,144.78) (24.13,-144.78) (24.13,-229.87) (72.39,229.87) (72.39,144.78) (72.39,-144.78) (72.39,-229.87) (120.65,229.87) (120.65,144.78) (120.65,-144.78) (120.65,-229.87) (128.27,187.325) (128.27,60.325) (128.27,-60.325) (128.27,-187.325)
  round 0.508 hole 4.572x3.099 unplated: (130.048,229.87)